# Altium PCB PCB_REV1.PcbDoc (part 1 of 2) (continued)
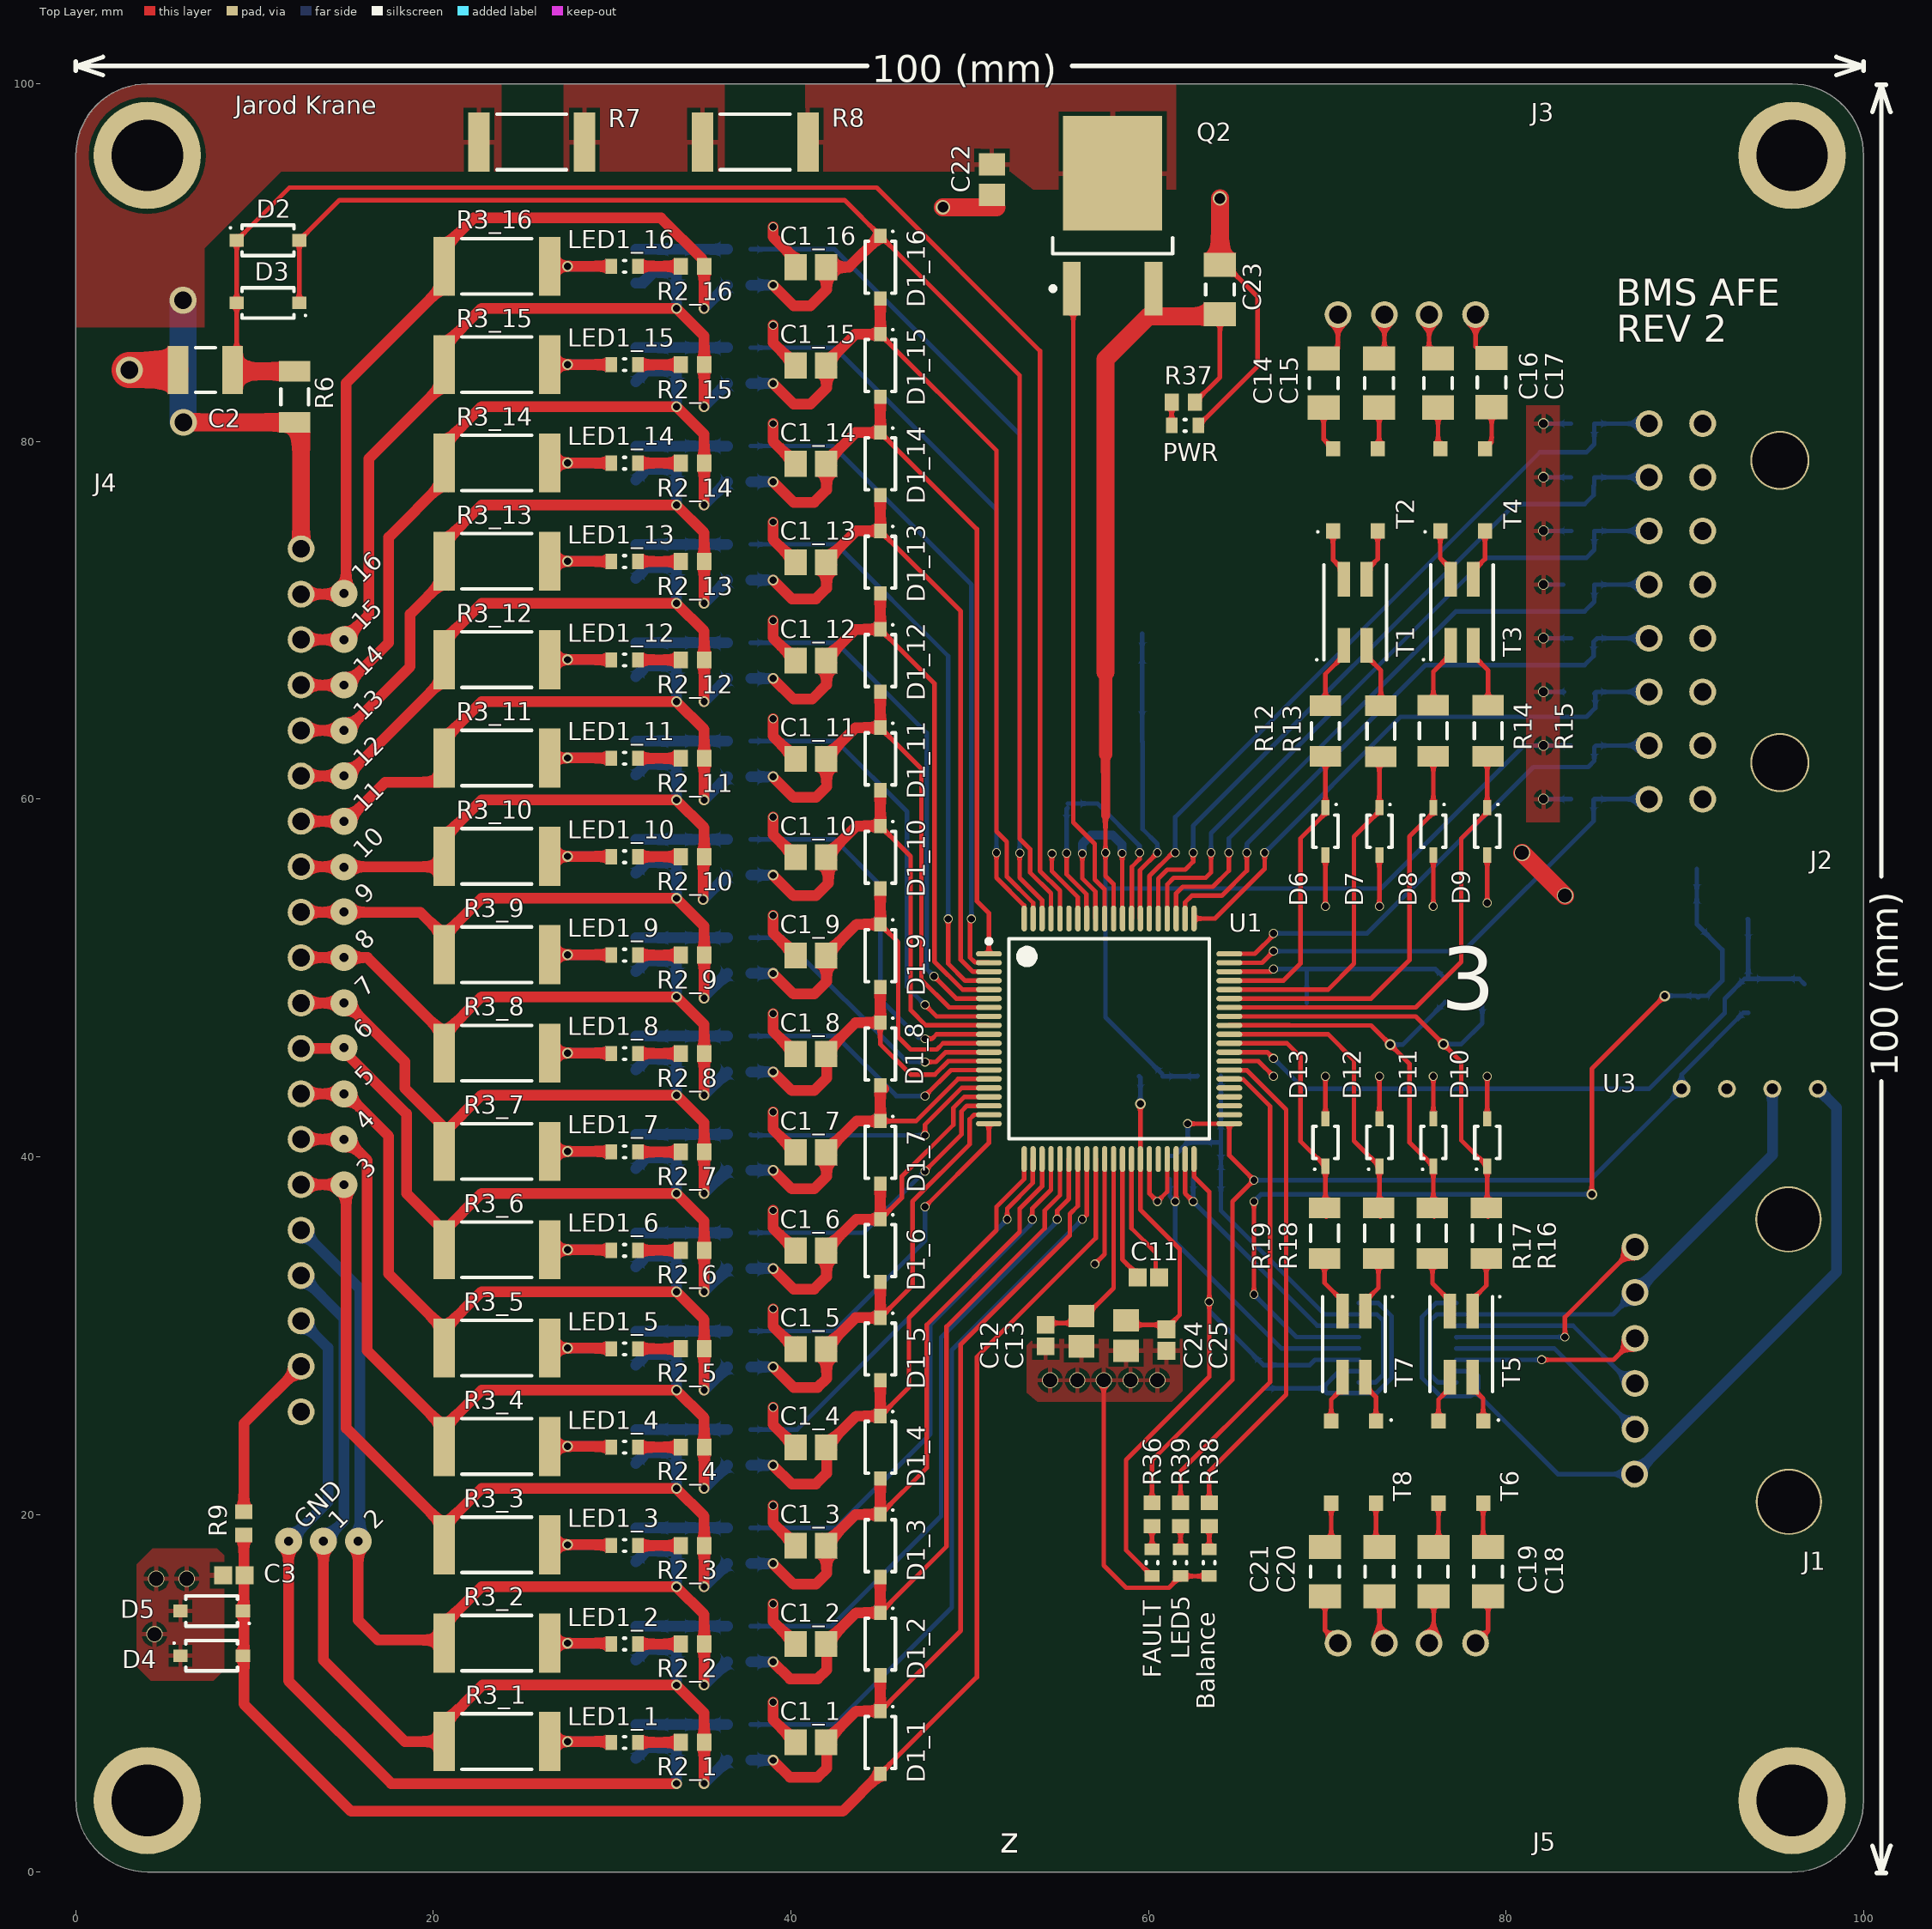
[diagram p0: Top Layer view]
## Components (designator, comment, footprint, x,y, rotation, side; value= is the part's Value field where it differs from the comment) (continued)
R4_6 "2K" "0603 RES" 37.1,35.75 r180 bottom (schematic designator R4)
R4_7 "2K" "0603 RES" 37.1,41.25 r180 bottom (schematic designator R4)
R4_8 "2K" "0603 RES" 37.1,46.75 r180 bottom (schematic designator R4)
R4_9 "2K" "0603 RES" 37.1,52.25 r180 bottom (schematic designator R4)
R4_10 "2K" "0603 RES" 37.1,57.75 r180 bottom (schematic designator R4)
R4_11 "2K" "0603 RES" 37.1,63.25 r180 bottom (schematic designator R4)
R4_12 "2K" "0603 RES" 37.1,68.75 r180 bottom (schematic designator R4)
R4_13 "2K" "0603 RES" 37.1,74.25 r180 bottom (schematic designator R4)
R4_14 "2K" "0603 RES" 37.1,79.75 r180 bottom (schematic designator R4)
R4_15 "2K" "0603 RES" 37.1,85.25 r180 bottom (schematic designator R4)
R4_16 "2K" "0603 RES" 37.1,90.75 r180 bottom (schematic designator R4)
R5_1 "100K" "0603 RES" 33.6,7.6 r90 bottom (schematic designator R5)
R5_2 "100K" "0603 RES" 33.6,13.1 r90 bottom (schematic designator R5)
R5_3 "100K" "0603 RES" 33.6,18.6 r90 bottom (schematic designator R5)
R5_4 "100K" "0603 RES" 33.6,24.1 r90 bottom (schematic designator R5)
R5_5 "100K" "0603 RES" 33.6,29.6 r90 bottom (schematic designator R5)
R5_6 "100K" "0603 RES" 33.6,35.1 r90 bottom (schematic designator R5)
R5_7 "100K" "0603 RES" 33.6,40.6 r90 bottom (schematic designator R5)
R5_8 "100K" "0603 RES" 33.6,46.1 r90 bottom (schematic designator R5)
R5_9 "100K" "0603 RES" 33.6,51.6 r90 bottom (schematic designator R5)
R5_10 "100K" "0603 RES" 33.6,57.1 r90 bottom (schematic designator R5)
R5_11 "100K" "0603 RES" 33.6,62.6 r90 bottom (schematic designator R5)
R5_12 "100K" "0603 RES" 33.6,68.1 r90 bottom (schematic designator R5)
R5_13 "100K" "0603 RES" 33.6,73.6 r90 bottom (schematic designator R5)
R5_14 "100K" "0603 RES" 33.6,79.1 r90 bottom (schematic designator R5)
R5_15 "100K" "0603 RES" 33.6,84.6 r90 bottom (schematic designator R5)
R5_16 "100K" "0603 RES" 33.6,90.1 r90 bottom (schematic designator R5)
R6 "100R" "1206 RES" 12.25,82.5 r270 top
R7 "200R" "2512 RES" 25.5,96.75 r0 top
R8 "200R" "2512 RES" 38,96.75 r0 top
R9 "1K" "0603 RES" 9.4,19.5 r90 top
R10 "0R" "1206 RES" 92.1,56.1 r0 bottom
R11 "100K" "0603 RES" 63.357,38.8 r0 bottom
R12 "10R" "1206 RES" 69.9,63.813 r90 top
R13 "10R" "1206 RES" 73,63.8 r90 top
R14 "10R" "1206 RES" 75.933,63.825 r90 top
R15 "10R" "1206 RES" 79,63.825 r90 top
R16 "10R" "1206 RES" 78.9,35.725 r270 top
R17 "10R" "1206 RES" 75.883,35.725 r270 top
R18 "10R" "1206 RES" 72.867,35.725 r270 top
R19 "10R" "1206 RES" 69.85,35.725 r270 top
R20 "1R" "0603 RES" 63.4,44.534 r0 bottom
R21 "1R" "0603 RES" 60.137,44.5 r0 bottom
R22 "10K" "0603 RES" 84.292,81 r180 bottom
R23 "10K" "0603 RES" 84.292,78 r180 bottom
R24 "10K" "0603 RES" 84.3,75 r180 bottom
R25 "10K" "0603 RES" 84.292,72 r180 bottom
R26 "10K" "0603 RES" 84.3,69 r180 bottom
R27 "10K" "0603 RES" 84.292,66 r180 bottom
R28 "10K" "0603 RES" 84.292,63 r180 bottom
R29 "10K" "0603 RES" 84.292,60 r180 bottom
R30 "100K" "0603 RES" 61.2,39.4 r90 bottom
R31 "0R" "1206 RES" 92.1,53.3 r180 bottom
R32 "100K" "0603 RES" 96.6,49.292 r270 bottom
R33 "49.9K" "0603 RES" 66.426,27.7 r270 bottom
R34 "100K" "0603 RES" 76.6,49.3 r90 bottom
R35 "100K" "0603 RES" 78.671,49.296 r90 bottom
R36 "2K" "0603 RES" 60.2,20 r90 top
R37 "2K" "0603 RES" 61.95,82.2 r180 top
R38 "1K" "0603 RES" 63.4,20 r270 top
R39 "1K" "0603 RES" 61.8,20 r270 top
T1 "470u" "CHOKE NODE 470u" 71.565,70.45 r90 top
T2 "100u" "CHOKE NODE 100u" 71.575,77.3 r90 top
T3 "470u" "CHOKE NODE 470u" 77.535,70.45 r90 top
T4 "100u" "CHOKE NODE 100u" 77.575,77.3 r90 top
T5 "470u" "CHOKE NODE 470u" 77.5,29.525 r270 top
T6 "100u" "CHOKE NODE 100u" 77.475,22.925 r270 top
T7 "470u" "CHOKE NODE 470u" 71.5,29.525 r270 top
T8 "100u" "CHOKE NODE 100u" 71.475,22.925 r270 top
U1 "BQ76PL455ATPFCRQ1" BQ76PL455A-Q1 57.8,46.6 r0 top
U2 "NC7SZ04M5X" Inverter 92.2,49 r0 bottom
U3 "ROE-0505S" 5V-ISO 97.44,43.8 r180 top
U4 "ISO7742DBQR" Serial-ISO 74.496,29.6 r0 bottom

## Footprints (in the part's own frame and the unit in brackets; to place one, negate y for a bottom-side part, rotate by r counter-clockwise, add the part's x,y. Pads: shape width x height; smd on the part's side, far side on the other; paste and mask are expansions set on the pad)
5V-ISO [mm]
  round 1 hole 0.61: 1(0,0) 2(2.54,0) 3(5.08,0) 4(7.62,0)
  body extent -1.9,-1.3 9.6,4.7, height 10
"0603 CAP - duplicate" [mm] "Chip Capacitor, 2-Leads, Body 1.60x0.80mm, IPC Medium Density"
  rect 1x1 smd: 1(-0.6,0) 2(0.6,0)
  body extent -0.88,-0.48 0.88,0.48, height 0.95
"0603 RES" [mm] "Chip Resistor, 2-Leads, Body 1.57x0.85mm, IPC Medium Density"
  rect 0.8x0.95 smd: 1(-0.65,0) 2(0.65,0)
  body extent -0.83,-0.48 0.82,0.48, height 0.5
"0805 CAP" [mm] "Chip Capacitor, 2-Leads, Body 2.00x1.25mm, IPC Medium Density"
  rect 1.25x1.45 smd: 1(-0.85,0) 2(0.85,0)
  body extent -1.07,-0.7 1.07,0.7, height 1.4
"1206 CAP" [mm] "Chip Capacitor, 2-Leads, Body 3.20x1.60mm, IPC Medium Density"
  rect 1.35x1.8 smd: 1(-1.375,0) 2(1.375,0)
  silkscreen extent -0.3,-0.8 0.3,0.8, body extent -1.7,-0.9 1.7,0.9, height 1.8
"1206 RES" [mm] "Chip Resistor, 2-Leads, Body 3.15x1.60mm, IPC Medium Density"
  rect 1.15x1.75 smd: 1(-1.425,0) 2(1.425,0)
  silkscreen extent -0.45,-0.77 0.45,0.77, body extent -1.65,-0.87 1.65,0.87, height 0.6
"1210 cap" [mm] "Chip Capacitor, 2-Leads, Body 3.20x2.50mm, IPC Medium Density"
  rect 1.15x2.7 smd: 1(-1.525,0) 2(1.525,0)
  silkscreen extent -0.55,-1.25 0.55,1.25, body extent -1.75,-1.35 1.75,1.35, height 1.8
"2512 RES" [mm] "Chip Resistor, 2-Leads, Body 6.30x3.15mm, IPC Medium Density"
  rect 1.2x3.3 smd: 1(-2.95,0) 2(2.95,0)
  silkscreen extent -1.95,-1.55 1.95,1.55, body extent -3.16,-1.65 3.16,1.65, height 0.7
BQ76PL455A-Q1 [mm] "MAIN CHIP"
  oval 1.45x0.3 smd: 1(-6.725,4.75) 2(-6.725,4.25) 3(-6.725,3.75) 4(-6.725,3.25) 5(-6.725,2.75) 6(-6.725,2.25) 7(-6.725,1.75) 8(-6.725,1.25) 9(-6.725,0.75) 10(-6.725,0.25) 11(-6.725,-0.25) 12(-6.725,-0.75) 13(-6.725,-1.25) 14(-6.725,-1.75) 15(-6.725,-2.25) 16(-6.725,-2.75) 17(-6.725,-3.25) 18(-6.725,-3.75) 19(-6.725,-4.25) 20(-6.725,-4.75) 41(6.725,-4.75) 42(6.725,-4.25) 43(6.725,-3.75) 44(6.725,-3.25) 45(6.725,-2.75) 46(6.725,-2.25) 47(6.725,-1.75) 48(6.725,-1.25) 49(6.725,-0.75) 50(6.725,-0.25) 51(6.725,0.25) 52(6.725,0.75) 53(6.725,1.25) 54(6.725,1.75) 55(6.725,2.25) 56(6.725,2.75) 57(6.725,3.25) 58(6.725,3.75) 59(6.725,4.25) 60(6.725,4.75)
  oval 0.3x1.45 smd: 21(-4.75,-6.725) 22(-4.25,-6.725) 23(-3.75,-6.725) 24(-3.25,-6.725) 25(-2.75,-6.725) 26(-2.25,-6.725) 27(-1.75,-6.725) 28(-1.25,-6.725) 29(-0.75,-6.725) 30(-0.25,-6.725) 31(0.25,-6.725) 32(0.75,-6.725) 33(1.25,-6.725) 34(1.75,-6.725) 35(2.25,-6.725) 36(2.75,-6.725) 37(3.25,-6.725) 38(3.75,-6.725) 39(4.25,-6.725) 40(4.75,-6.725) 61(4.75,6.725) 62(4.25,6.725) 63(3.75,6.725) 64(3.25,6.725) 65(2.75,6.725) 66(2.25,6.725) 67(1.75,6.725) 68(1.25,6.725) 69(0.75,6.725) 70(0.25,6.725) 71(-0.25,6.725) 72(-0.75,6.725) 73(-1.25,6.725) 74(-1.75,6.725) 75(-2.25,6.725) 76(-2.75,6.725) 77(-3.25,6.725) 78(-3.75,6.725) 79(-4.25,6.725) 80(-4.75,6.725)
  silkscreen extent -6.85,-5.6 5.6,5.6, body extent -6,-6 6,6, height 1.2
"CHOKE NODE 100u" [mm] "445-3959-1-ND"
  rect 0.85x0.8 smd: 1(-2.3,1.25) 2(-2.3,-1.25) 3(2.3,-1.25) 4(2.3,1.25)
  silkscreen extent -2.4,2.05 -2.3,2.15, body extent -2.35,-1.7 2.35,1.7, height 3
"CHOKE NODE 470u" [mm] "732-1686-1-ND"
  rect 1.95x0.7 smd: 1(-1.85,0.635) 2(-1.85,-0.635) 3(1.85,-0.635) 4(1.85,0.635)
  silkscreen extent -2.7,-1.75 2.65,2.2, body extent -2.65,-1.75 2.65,1.75, height 3.6
"COMM HDR" [mm]
  round 1.5 hole 1: 1(2.5,12.9) 2(5.1,12.9) 3(7.6,12.9) 4(10.2,12.9)
  body extent 0,0 12.7,13.59, height 6.56
"DIODE BTOB" [mm] "1N4148W-7-F"
  rect 0.8x0.7 smd: 1(-1.75,0) 2(1.75,0)
  silkscreen extent -1.45,-0.85 2.15,0.85, body extent -1.85,-0.85 1.85,0.85, height 1.35
Inverter [mm] "IC INVERTER 1CH 1-INP SOT23-5"
  rect 1x0.6 smd: 1(-1.35,0.95) 2(-1.35,0) 3(-1.35,-0.95) 4(1.35,-0.95) 5(1.35,0.95)
  silkscreen extent -1.47,-1.5 0.45,1.92, body extent -1.5,-1.5 1.5,1.5, height 1.45
LED2 [mm] "Chip Capacitor, 2-Leads, Body 1.60x0.70mm, IPC Medium Density"
  rect 0.65x0.85 smd: 1(-0.75,0) 2(0.75,0)
  silkscreen extent -0.05,-0.33 0.05,0.33, body extent -0.85,-0.4 0.85,0.4, height 0.8
N-MOSFET [mm] "2V7002K"
  rect 1x0.6 smd: 1(-1.2,0.95) 2(-1.2,-0.95) 3(1.2,0)
  silkscreen extent -1.33,-1.5 0.7,1.92, body extent -0.7,-1.52 0.7,1.52, height 1.11
"NPN TRANSISTOR" [mm] "ZXTN4004KTCDICT-ND"
  rect 3x1 smd: 1(-4.1,2.29) 3(-4.1,-2.29)
  rect 6.4x5.55 smd: 2(2.35,0)
  silkscreen extent -4.22,-3.35 -1.25,3.46, body extent -2.15,-3.35 4.05,3.35, height 2.39
PCBComponent_1 [mm]
  round 1.5 hole 1: 1(50.8,12.9) 2(48.26,12.9) 3(45.72,12.9) 4(43.18,12.9) 5(40.64,12.9) 6(38.1,12.9) 7(35.56,12.9) 8(33.02,12.9) 9(30.48,12.9) 10(27.94,12.9) 11(25.4,12.9) 12(22.86,12.9) 13(20.32,12.9) 14(17.78,12.9) 15(15.24,12.9) 16(12.7,12.9) 17(10.16,12.9) 18(7.62,12.9) 19(5.08,12.9) 20(2.54,12.9)
  body extent 0,0 53.34,13.59, height 6.56
"SERIAL HDR" [mm]
  round 1.5 hole 1: 1(3.175,12.878) 2(5.69,12.852) 3(8.255,12.852) 4(10.77,12.852) 5(13.335,12.852) 6(15.875,12.852)
  round 3.7 hole 3.5: 7(1.626,4.242) 8(17.424,4.267)
  body extent 0,0.01 19.05,13.59, height 6.56
Serial-ISO [mm] "SOP, 16-Leads, Body 4.91x3.90mm, Pitch 0.64mm, IPC Medium Density"
  oval 1.45x0.45 smd: 1(-2.725,2.222) 2(-2.725,1.587) 3(-2.725,0.953) 4(-2.725,0.318) 5(-2.725,-0.318) 6(-2.725,-0.953) 7(-2.725,-1.587) 8(-2.725,-2.222) 9(2.725,-2.222) 10(2.725,-1.587) 11(2.725,-0.953) 12(2.725,-0.318) 13(2.725,0.318) 14(2.725,0.953) 15(2.725,1.587) 16(2.725,2.222)
  silkscreen extent -2.85,-2.5 1.6,3.12, body extent -3,-2.5 3,2.5, height 1.75
"THERMO HDR" [mm]
  round 1.5 hole 1: 1(3.5,11.92) 2(6.5,11.92) 3(9.5,11.92) 4(12.5,11.92) 5(15.5,11.92) 6(18.5,11.92) 7(21.5,11.92) 8(24.5,11.92) 9(24.5,8.92) 10(21.5,8.92) 11(18.5,8.92) 12(15.5,8.92) 13(12.5,8.92) 14(9.5,8.92) 15(6.5,8.92) 16(3.5,8.92)
  round 3.3 hole 3.1: 27(5.55,4.6) 27(22.45,4.6)
  body extent 0,0 28,12.24, height 8.73
"TVS DIODE" [mm] "1727-4155-1-ND"
  rect 0.85x0.45 smd: 1(-1.325,0) 2(1.325,0)
  silkscreen extent -0.9,-0.7 1.55,0.7, body extent -0.9,-0.67 0.9,0.67, height 1.1
"ZENER DIODE" [mm] "DDZ6V2BDICT-ND"
  rect 0.8x0.7 smd: 1(-1.75,0) 2(1.75,0)
  silkscreen extent -1.45,-0.85 2.05,0.85, body extent -1.42,-0.85 1.43,0.85, height 1.35

## Part data
Balance FAULT LED1_1 LED1_2 LED1_3 LED1_4 LED1_5 LED1_6 LED1_7 LED1_8 LED1_9 LED1_10 LED1_11 LED1_12 LED1_13 LED1_14 LED1_15 LED1_16 LED5 PWR: library part 150060VS75000, "LED GREEN CLEAR 0603 SMD", Case/Package=0603, Case Code (Metric)=1608, Colour=Green, Forward Current=30mA, Forward Voltage=2V, Manufacturer="Wurth Electronics", Max Operating Temperature=85°C, Min Operating Temperature=-40°C, Package Quantity=1, Supplier Part Number 1=732-4980-1-ND, Test Current=20mA, Case Code (Imperial)=0603, ComponentLink1Description=http://www.farnell.com/datasheets/1911347.pdf, ComponentLink1URL=http://www.farnell.com/datasheets/1911347.pdf, ComponentLink2Description=https://katalog.we-online.de/led/datasheet/150060VS75000.pdf, ComponentLink2URL=https://katalog.we-online.de/led/datasheet/150060VS75000.pdf, ComponentLink3Description=https://www.distrelec.biz/Web/Downloads/_t/ds/150060VS75000_eng_tds.pdf?mime=application%2Fpdf, ComponentLink3URL=https://www.distrelec.biz/Web/Downloads/_t/ds/150060VS75000_eng_tds.pdf?mime=application%2Fpdf, ComponentLink4Description=http://www.produktinfo.conrad.com/datenblaetter/750000-774999/759431-da-01-en-CHIPLED_0603_W_KL_H_GRUEN_150060VS7500.pdf, ComponentLink4URL=http://www.produktinfo.conrad.com/datenblaetter/750000-774999/759431-da-01-en-CHIPLED_0603_W_KL_H_GRUEN_150060VS7500.pdf, Dominant Wavelength=570nm, Height=0.7mm, Length=1.6mm, Lens Style=Clear,Rectangular, Luminous Intensity=40mcd, Manufacturer Part Number=150060VS75000, Mount="Surface Mount", Number of Pins=2, Packaging="Tape and Reel", Pricing 1="1=0.14, 50=0.129, 100=0.11, 500=0.095 (USD)", REACH SVHC=Unknown, Stock 1=219425, Supplier 1=Digi-Key, Viewing Angle=140°, Wavelength=570nm, Width=0.8mm
C1_1 C1_2 C1_3 C1_4 C1_5 C1_6 C1_7 C1_8 C1_9 C1_10 C1_11 C1_12 C1_13 C1_14 C1_15 C1_16 C22: library part C2012X7S2A105K125AE, "CAP CER 1UF 100V X7S 0805", Case/Package=0805, Case Code (Metric)=2012, Dielectric=X7S, Manufacturer=TDK, Max Operating Temperature=125°C, Min Operating Temperature=-55°C, Package Quantity=1, Supplier Part Number 1=445-8887-1-ND, Tolerance=10%, Voltage Rating=100V, Capacitance=1uF, Case Code (Imperial)=0805, ComponentLink1Description=https://product.tdk.com/info/en/catalog/spec/mlccspec_commercial_soft_en.pdf, ComponentLink1URL=https://product.tdk.com/info/en/catalog/spec/mlccspec_commercial_soft_en.pdf, ComponentLink2Description=http://www.mouser.com/ds/2/400/lcc_commercial_soft_en-520032.pdf, ComponentLink2URL=http://www.mouser.com/ds/2/400/lcc_commercial_soft_en-520032.pdf, Composition=Ceramic, Depth=1.25mm, Features="Soft Termination", Height=1.25mm, Lead Free="Lead Free", Length=2mm, Manufacturer Part Number=C2012X7S2A105K125AE, Mount="Surface Mount", Packaging="Tape and Reel", Pricing 1="1=0.5, 10=0.356, 100=0.2347, 500=0.1739, 1000=0.1478 (USD)", Stock 1=20000, Supplier 1=Digi-Key, Termination=SMD/SMT, Thickness=0.049inch, Voltage Rating (DC)=100V, Width=0.05inch
C2: library part C1210C104KARACTU, "CAP CER 0.1UF 250V X7R 1210", Capacitance=100nF, Case/Package=1210, Case Code (Metric)=3225, Dielectric=X7R, Dielectric Material=Ceramic, Manufacturer=KEMET, Max Operating Temperature=125°C, Min Operating Temperature=-55°C, Package Quantity=1, Supplier Part Number 1=399-4676-1-ND, Tolerance=10%, Voltage=250V, Case Code (Imperial)=1210, Depth=2.5mm, Dissipation Factor=2.5%, Height=1.5mm, Length=3.2mm, Manufacturer Part Number=C1210C104KARACTU, Mount="PCB,Surface Mount", Number of Pins=2, Packaging="Tape and Reel", Pricing 1="1=0.68, 10=0.479, 100=0.3156, 500=0.2338, 1000=0.1987 (USD)", REACH SVHC="No SVHC", Stock 1=3355, Supplier 1=Digi-Key, Termination=SMD/SMT, Thickness=0.055inch, Voltage Rating=250V, Voltage Rating (DC)=250V, Width=2.5mm
C3: library part C1608X7R1C105K080AC, "CAP CER 1UF 16V X7R 0603", Case/Package=0603, Case Code (Metric)=1608, Dielectric=X7R, Dielectric Material=Ceramic, Manufacturer=TDK, Max Operating Temperature=125°C, Min Operating Temperature=-55°C, Package Quantity=1, Supplier Part Number 1=445-1604-1-ND, Tolerance=10%, Voltage=16V, Capacitance=1uF, Case Code (Imperial)=0603, Composition=Ceramic, Depth=0.8mm, Height=0.8mm, Lead Free="Lead Free", Length=1.6mm, Manufacturer Part Number=C1608X7R1C105K080AC, Mount="Surface Mount", Packaging="Tape and Reel", Pricing 1="1=0.12, 10=0.087, 100=0.0387, 500=0.0277, 1000=0.0217 (USD)", Radiation Hardening=No, REACH SVHC="No SVHC", Stock 1=0, Supplier 1=Digi-Key, Termination=SMD/SMT, Thickness=0.037inch, Voltage Rating=16V, Voltage Rating (DC)=16V, Weight=7.1E-05oz, Width=0.031inch
C4: library part 08055A391JAT2A, "CAP CER 390PF 50V C0G/NP0 0805", Case/Package=0805, Case Code (Metric)=2012, Dielectric=C0G, Dielectric Material=Ceramic, Manufacturer="Kyocera AVX", Max Operating Temperature=125°C, Min Operating Temperature=-55°C, Package Quantity=1, Supplier Part Number 1=478-1323-1-ND, Temperature Coefficient=30ppm/°C, Tolerance=5%, Voltage=50V, Capacitance=390pF, Case Code (Imperial)=0805, Contact Plating=Matte,Tin, Depth=1.25mm, Height=0.94mm, Lead Free="Lead Free", Length=2.01mm, Manufacturer Part Number=08055A391JAT2A, Mount="PCB,Surface Mount", Number of Pins=2, Packaging="Tape and Reel", Pricing 1="1=0.22, 10=0.16, 100=0.075, 500=0.0526, 1000=0.0436 (USD)", Radiation Hardening=No, REACH SVHC="No SVHC", Stock 1=18, Supplier 1=Digi-Key, Termination=SMD/SMT, Thickness=0.037inch, Voltage Rating=50V, Voltage Rating (DC)=50V, Width=1.25mm
C6: library part C1210C185K3RACTU, "CAP CER 1.8UF 25V X7R 1210", Case/Package=1210, Case Code (Metric)=3225, Dielectric=X7R, Dielectric Material=Ceramic, Manufacturer=KEMET, Max Operating Temperature=125°C, Min Operating Temperature=-55°C, Package Quantity=1, Supplier Part Number 1=399-3082-1-ND, Tolerance=10%, Voltage=25V, Capacitance=1.8uF, Case Code (Imperial)=1210, Depth=2.5mm, Dissipation Factor=3.5%, Height=1.55mm, Length=3.2mm, Manufacturer Part Number=C1210C185K3RACTU, Mount="PCB,Surface Mount", Packaging="Tape and Reel", Pricing 1="1=1.15, 10=0.876, 100=0.6267, 500=0.4852, 1000=0.4178 (USD)", REACH SVHC="No SVHC", Stock 1=3636, Supplier 1=Digi-Key, Termination=SMD/SMT, Thickness=0.067inch, Voltage Rating=25V, Voltage Rating (DC)=25V, Width=0.098inch
C7 C9 C12 C25: library part 06035C104KAZ2A, "CAP CER 0.1UF 50V X7R 0603", Capacitance=100nF, Case/Package=0603, Case Code (Metric)=1608, Dielectric=X7R, Manufacturer="Kyocera AVX", Max Operating Temperature=125°C, Min Operating Temperature=-55°C, Package Quantity=1, Supplier Part Number 1=478-3540-1-ND, Temperature Coefficient=30ppm/°C, Tolerance=10%, Voltage=50V, Case Code (Imperial)=0603, Contact Plating=Matte,Tin, Depth=0.81mm, Features="Soft Termination", Height=0.94mm, Lead Free="Lead Free", Length=1.6mm, Manufacturer Part Number=06035C104KAZ2A, Mount="PCB,Surface Mount", Number of Pins=2, Packaging="Tape and Reel", Pricing 1="1=0.23, 10=0.161, 100=0.0756, 500=0.053, 1000=0.0439 (USD)", Radiation Hardening=No, REACH SVHC="No SVHC", Stock 1=40000, Supplier 1=Digi-Key, Termination=SMD/SMT, Thickness=0.035inch, Voltage Rating=50V, Voltage Rating (DC)=50V, Width=0.032inch
C8 C10 C13 C24: library part CL21B475KOFNFNE, "CAP CER 4.7UF 16V X7R 0805", Case/Package=0805, Case Code (Metric)=2012, Dielectric=X7R, Manufacturer=Samsung, Max Operating Temperature=125°C, Min Operating Temperature=-55°C, Package Quantity=1, Supplier Part Number 1=1276-2970-1-ND, Tolerance=10%, Voltage Rating=16V, Capacitance=4.7uF, Case Code (Imperial)=0805, Depth=1.25mm, Height=1.25mm, Length=0.079inch, Manufacturer Part Number=CL21B475KOFNFNE, Mount="Surface Mount", Packaging="Tape and Reel", Pricing 1="1=0.3, 10=0.208, 100=0.1181, 500=0.0833, 1000=0.0729 (USD)", Radiation Hardening=No, Stock 1=20000, Supplier 1=Digi-Key, Thickness=0.053inch, Width=0.049inch
C11: library part C1608X7R1H223K080AA, "CAP CER 0.022UF 50V X7R 0603", Capacitance=22nF, Case/Package=0603, Case Code (Metric)=1608, Dielectric=X7R, Dielectric Material=Ceramic, Manufacturer=TDK, Max Operating Temperature=125°C, Min Operating Temperature=-55°C, Package Quantity=1, Supplier Part Number 1=445-1312-1-ND, Tolerance=10%, Voltage=50V, Case Code (Imperial)=0603, Composition=Ceramic, Depth=0.8mm, Height=0.8mm, Lead Free="Lead Free", Length=1.6mm, Manufacturer Part Number=C1608X7R1H223K080AA, Mount="Surface Mount", Number of Pins=2, Packaging="Tape and Reel", Pricing 1="1=0.1, 10=0.074, 100=0.0331, 500=0.0237, 1000=0.0186 (USD)", Radiation Hardening=No, REACH SVHC="No SVHC", Stock 1=3, Supplier 1=Digi-Key, Termination=SMD/SMT, Thickness=0.037inch, Voltage Rating=50V, Voltage Rating (DC)=50V, Weight=7.1E-05oz, Width=0.031inch
C14 C15 C16 C17 C18 C19 C20 C21: library part 102R18W102KV4E, "CAP CER 1000PF 1KV X7R 1206", Capacitance=1nF, Case/Package=1206, Case Code (Metric)=3216, Dielectric=X7R, Dielectric Material=Ceramic, Manufacturer=Johanson, Max Operating Temperature=125°C, Min Operating Temperature=-55°C, Package Quantity=3000, Supplier Part Number 1=709-1029-1-ND, Tolerance=10%, Voltage=1kV, Case Code (Imperial)=1206, ComponentLink1Description=http://www.farnell.com/datasheets/1909358.pdf, ComponentLink1URL=http://www.farnell.com/datasheets/1909358.pdf, ComponentLink2Description=http://www.farnell.com/datasheets/1898761.pdf, ComponentLink2URL=http://www.farnell.com/datasheets/1898761.pdf, Depth=1.57mm, Height=1.27mm, Length=3.17mm, Manufacturer Part Number=102R18W102KV4E, Mount="Surface Mount", Number of Pins=2, Packaging="Tape and Reel", Pricing 1="1=0.38, 10=0.266, 100=0.1594, 500=0.1195, 1000=0.101 (USD)", Radiation Hardening=No, REACH SVHC="No SVHC", Stock 1=30000, Supplier 1=Digi-Key, Termination=SMD/SMT, Thickness=0.067inch, Voltage Rating=1kV, Voltage Rating (DC)=1kV, Width=1.6mm
C23: library part GRM31CR71H475KA12L, "CAP CER 4.7UF 50V X7R 1206", Case/Package=1206, Case Code (Metric)=3216, Dielectric=X7R, Manufacturer=Murata, Max Operating Temperature=125°C, Min Operating Temperature=-55°C, Package Quantity=2000, Supplier Part Number 1=490-6521-1-ND, Tolerance=10%, Voltage=50V, Capacitance=4.7uF, Case Code (Imperial)=1206, Depth=1.6mm, Height=1.6mm, Lead Free="Lead Free", Length=3.2mm, Manufacturer Part Number=GRM31CR71H475KA12L, Material=Ceramic, Mount="Surface Mount", Packaging="Tape and Reel", Pricing 1="1=0.98, 10=0.723, 100=0.4961, 500=0.3928, 1000=0.3307 (USD)", Radiation Hardening=No, REACH SVHC="No SVHC", Stock 1=0, Supplier 1=Digi-Key, Termination=SMD/SMT, Thickness=0.071inch, Voltage Rating=50V, Voltage Rating (DC)=50V, Width=0.063inch
D1_1 D1_2 D1_3 D1_4 D1_5 D1_6 D1_7 D1_8 D1_9 D1_10 D1_11 D1_12 D1_13 D1_14 D1_15 D1_16: library part MMSZ4689-TP, "DIODE ZENER 5.1V 500MW SOD123", Manufacturer=MCC, Max Operating Temperature=150°C, Max Power Dissipation=500mW, Max Reverse Leakage Current=10uA, Min Operating Temperature=-55°C, Package Quantity=3000, Supplier Part Number 1=MMSZ4689-TPMSCT-ND, Test Current=50uA, Tolerance=5%, Element Configuration=Single, Lead Free="Lead Free", Manufacturer Part Number=MMSZ4689-TP, Mount="Surface Mount", Number of Pins=2, Packaging="Tape and Reel", Power Dissipation=500mW, Pricing 1="1=0.22, 10=0.203, 25=0.146, 100=0.1136, 250=0.0714, 500=0.0608, 1000=0.0414 (USD)", Stock 1=294852, Supplier 1=Digi-Key, Voltage Tolerance=5%, Zener Current=50uA, Zener Voltage=5.1V
D2 D3 D4 D5: library part 1N4148W-7-F, "DIODE GEN PURP 100V 300MA SOD123", Average Rectified Current=300mA, Capacitance=2pF, Current=15A, Current Rating=150mA, Forward Voltage=1.25V, Manufacturer=Diodes, Max Forward Surge Current (Ifsm)=2A, Max Operating Temperature=150°C, Min Operating Temperature=-65°C, Package Quantity=3000, Peak Reverse Current=1uA, Power Dissipation=400mW, Supplier Part Number 1=1N4148W-FDICT-ND, Voltage Rating (DC)=75V, Contact Plating=Matte,Tin, Element Configuration=Single, Forward Current=150mA, Height=1.25mm, Lead Free="Lead Free", Length=2.85mm, Manufacturer Part Number=1N4148W-7-F, Max Repetitive Reverse Voltage (Vrrm)=100V, Max Reverse Voltage (DC)=100V, Max Surge Current=2A, Mount="Surface Mount", Number of Pins=2, Output Current=150mA, Packaging="Tape and Reel", Peak Non-Repetitive Surge Current=2A, Polarity=Standard, Power Rating=400mW, Pricing 1="1=0.18, 10=0.164, 100=0.0891, 500=0.0548, 1000=0.0374 (USD)", Radiation Hardening=No, REACH SVHC="No SVHC", Recovery Time=4ns, Reverse Recovery Time=4ns, Stock 1=0, Supplier 1=Digi-Key, Voltage=100V, Weight=0.000353oz, Width=1.7mm